# Altium PCB TestingPowerBoard.PcbDoc
Units mm, origin at the board's own origin, x right, y up, seen from the top; angles counter-clockwise.
Board outline 100 x 100 mm, 2 copper layers (Top Layer, Bottom Layer), stack 1.472 mm thick; 110 components, 87 nets, 357 pads, 224 vias.
Unrouted connection lines stored in the file: 42.
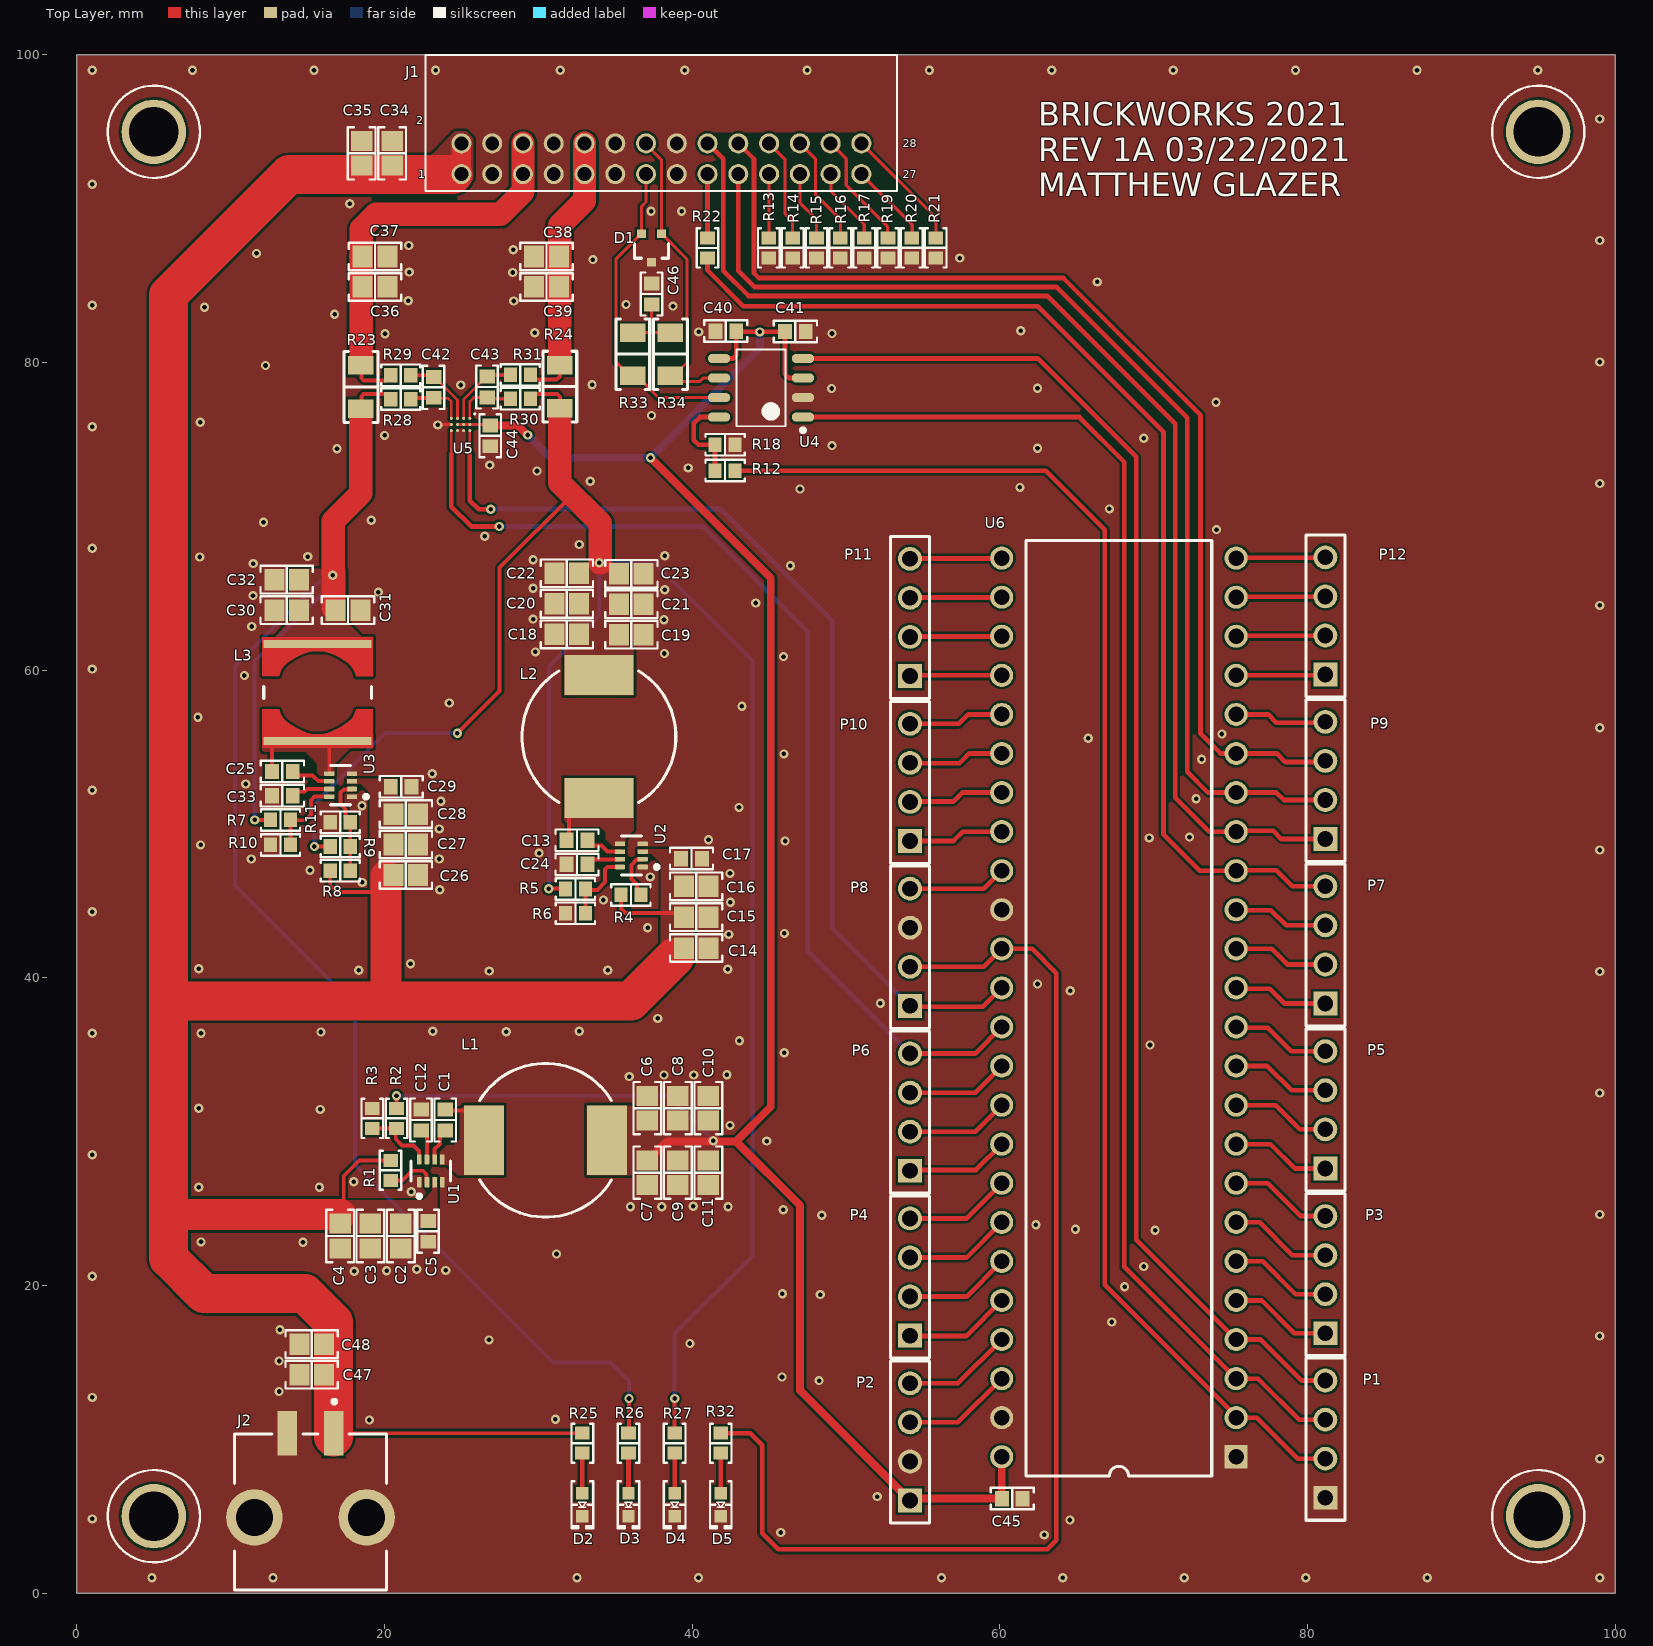
[diagram p0: Top Layer view]
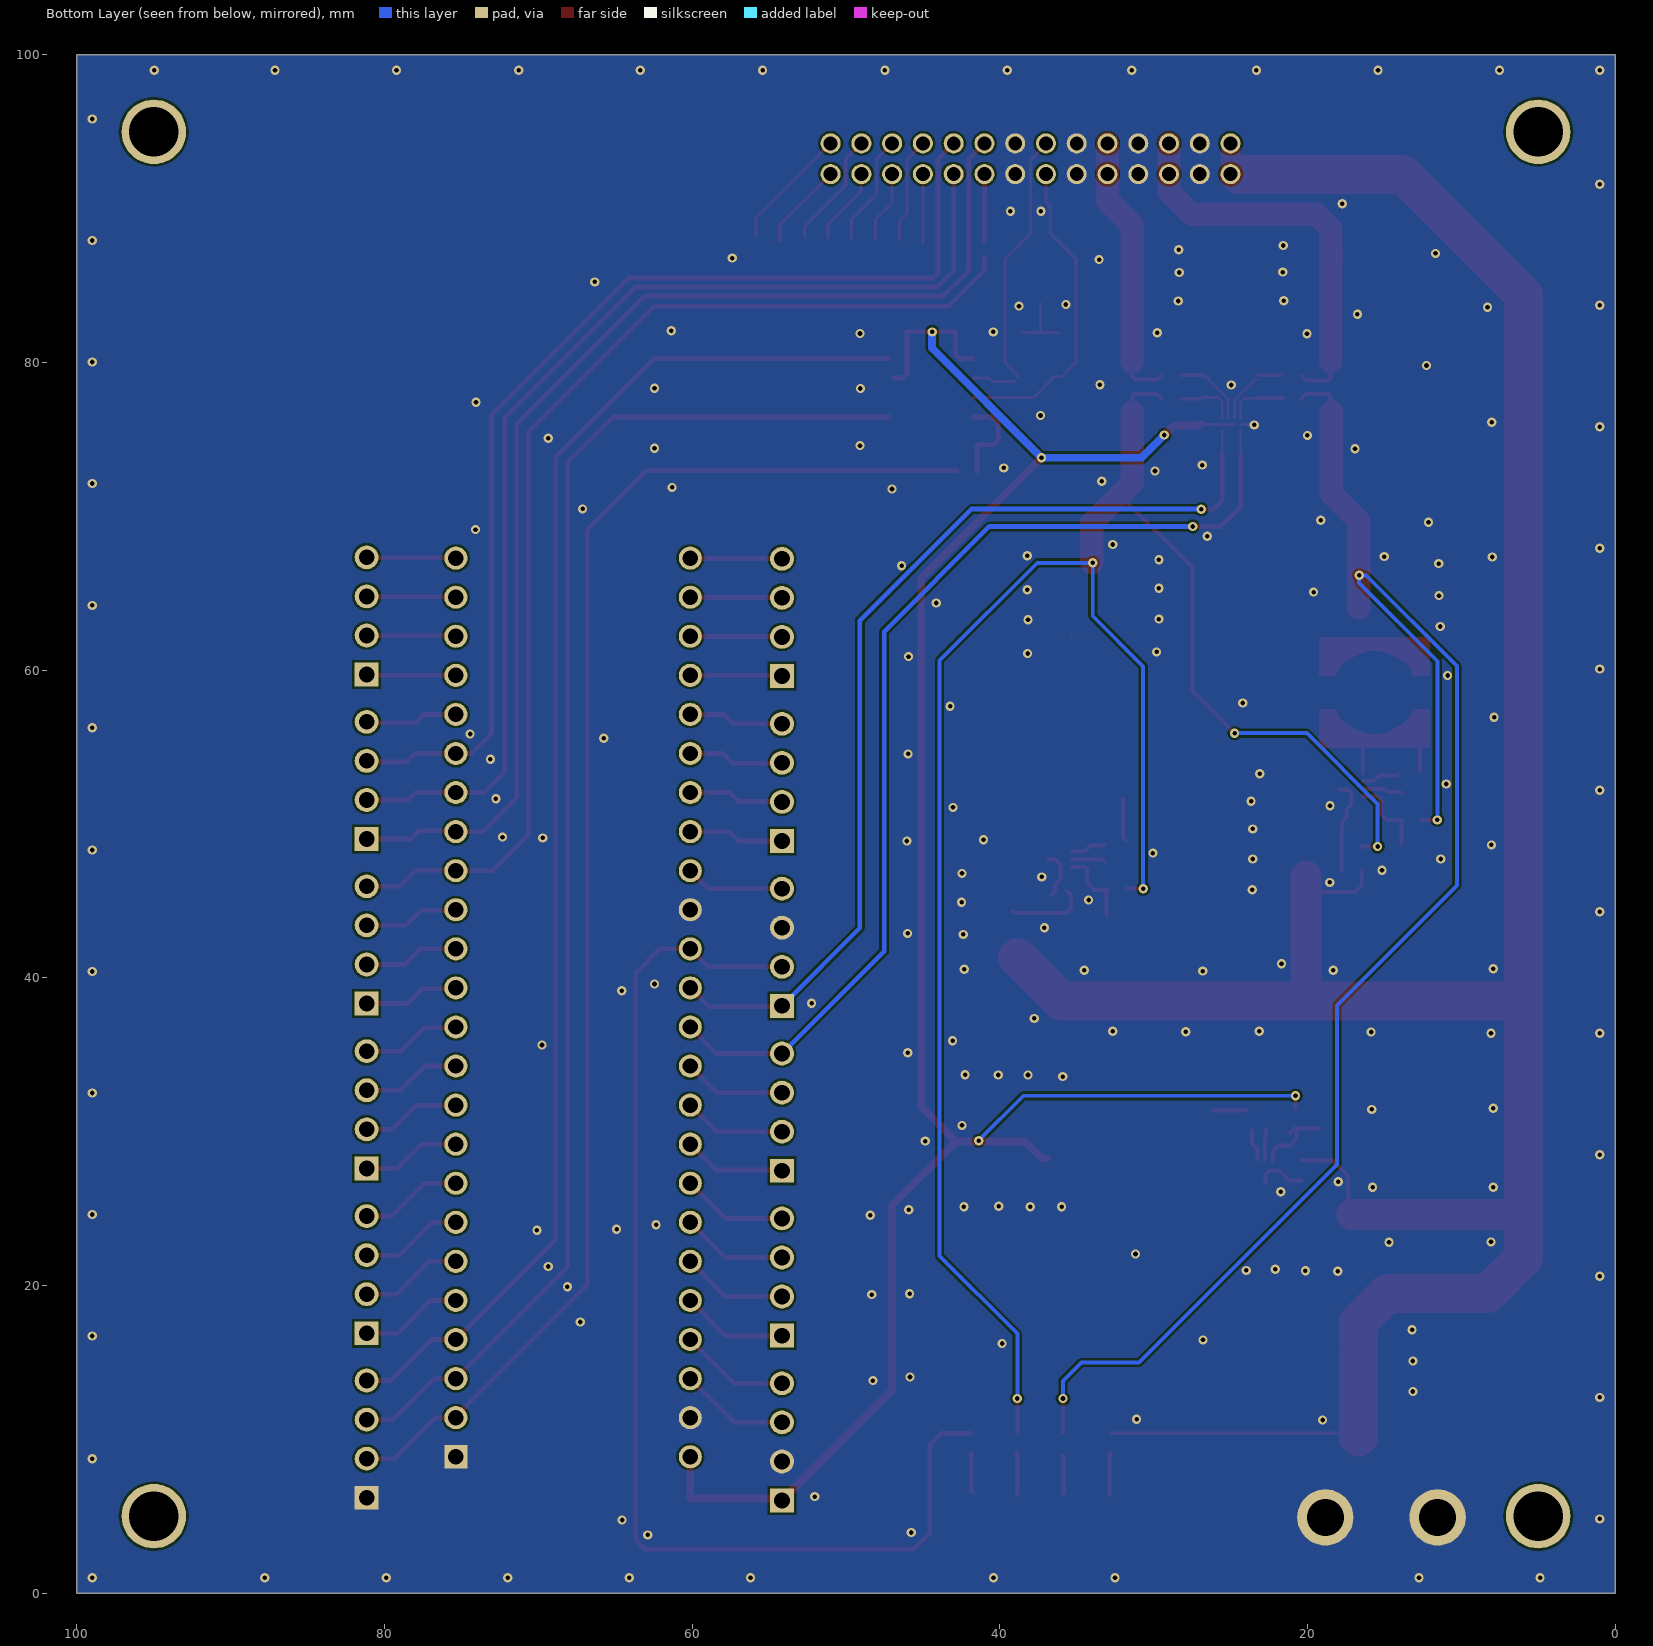
[diagram p1: Bottom Layer view, seen from below]
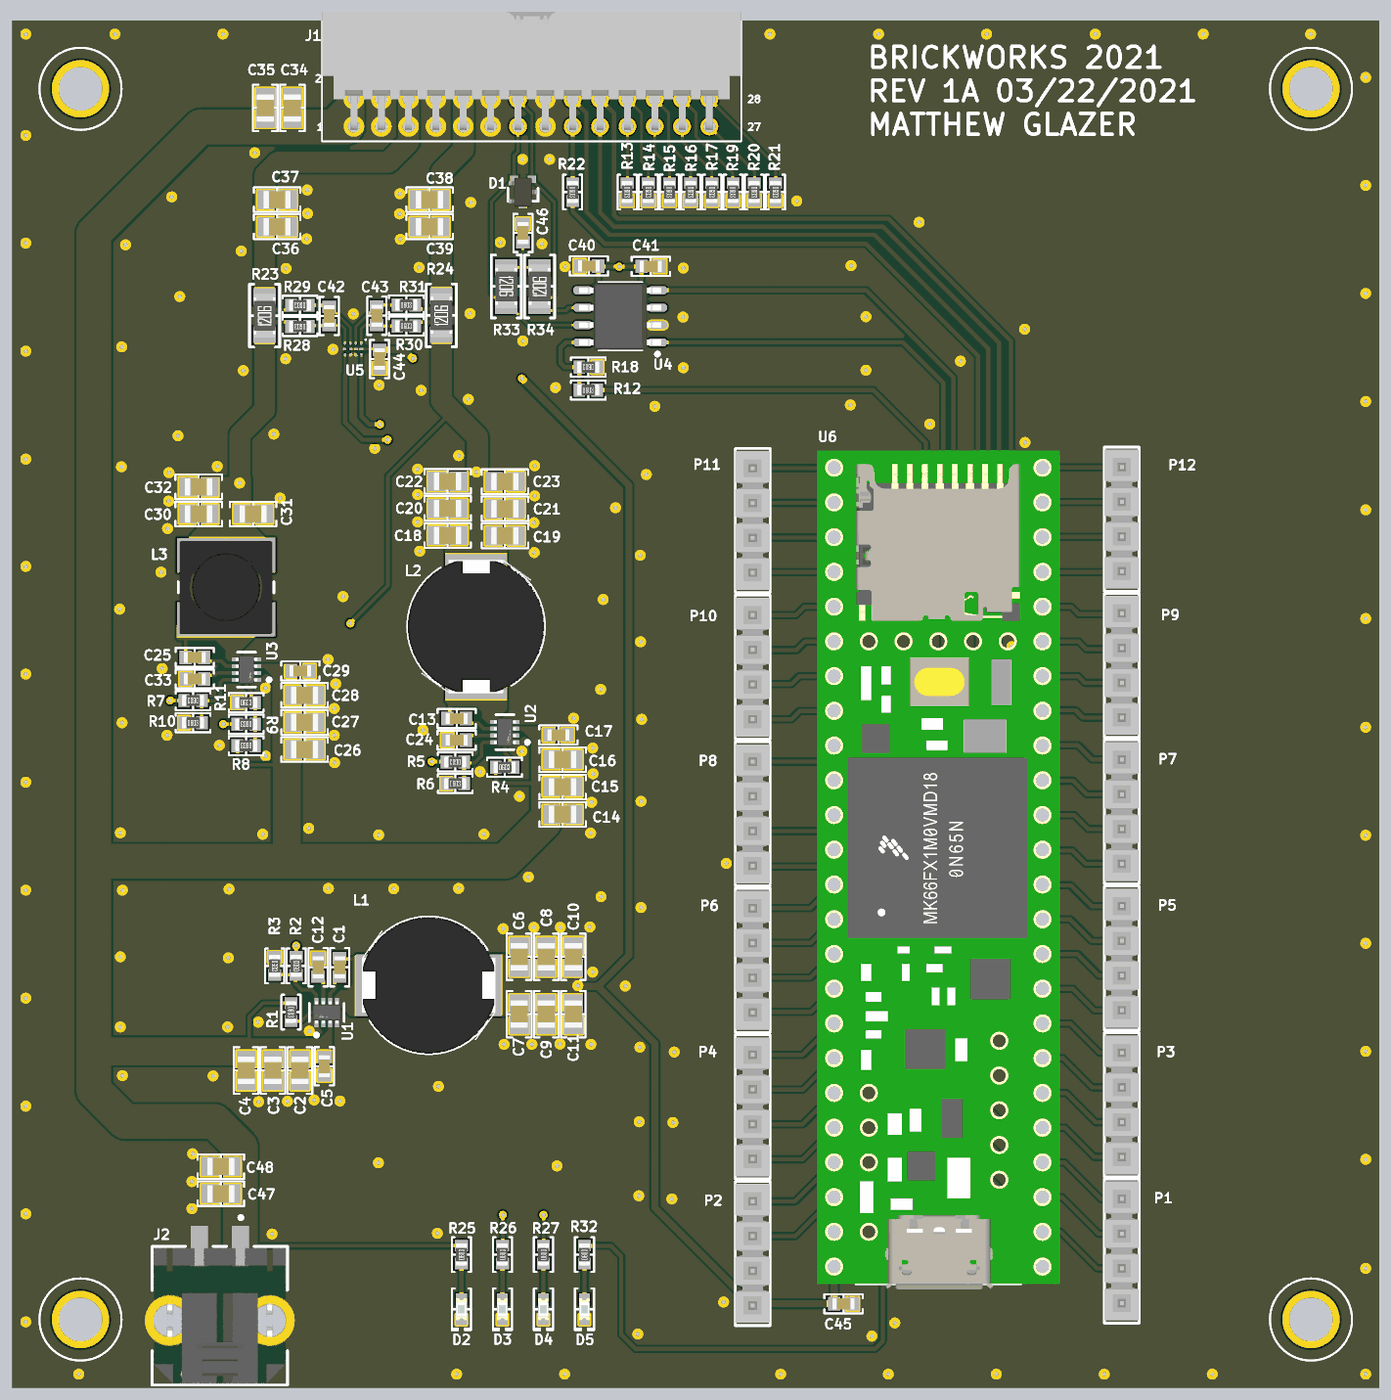
[diagram p2: 3D render of the assembled board from above, using the file's embedded part models]

## Layer stack, top to bottom
Top Solder: solder mask 0.01, SM-001, Dk 4
Top Layer: signal copper 0.041
Dielectric 2: prepreg 0.23, PP-018, Dk 4.3
Dielectric 1: core 0.93, Core-028, Dk 4.3
Dielectric 3: prepreg 0.23, PP-018, Dk 4.3
Bottom Layer: signal copper 0.041
Bottom Solder: solder mask 0.01, SM-001, Dk 4

## Board outline
0,0 100,0 100,100 0,100

## Design rules (kind name [scope] priority, off if disabled: settings)
Clearance [All] p1: gap=0.152 ignorepadtopadclearanceinfootprint=TRUE
DiffPairsRouting DiffPairsRouting100 [InDifferentialPairClass('DIFF100')] p1: maxlimit=0.152 minlimit=0.152 mostfreqgap=0.152 toplayer_minwidth=0.208 toplayer_maxwidth=0.208 toplayer_prefwidth=0.36 bottomlayer_minwidth=0.208 bottomlayer_maxwidth=0.208 bottomlayer_prefwidth=0.36 impedanceprofiledriven=TRUE impedanceprofileid={3D3F9093-80F4-4E16-AB05-055419844720} impedanceprofilevalue=100.000000 maxuncoupledlength=12.7
DiffPairsRouting DiffPairsRouting90 [InDifferentialPairClass('DIFF90')] p2: maxlimit=0.152 minlimit=0.152 mostfreqgap=0.152 toplayer_minwidth=0.277 toplayer_maxwidth=0.277 toplayer_prefwidth=0.573 bottomlayer_minwidth=0.277 bottomlayer_maxwidth=0.277 bottomlayer_prefwidth=0.573 impedanceprofiledriven=TRUE impedanceprofileid={56CFB2EB-BAC8-47B2-B82B-7AF4E2608B64} impedanceprofilevalue=90.000000 maxuncoupledlength=12.7
HoleSize [All] p1: absolutevalues=TRUE maxlimit=3.81 minlimit=0.254 maxpercent=80.000 minpercent=20.000
HoleToHoleClearance [All] p1: gap=0.127 allowstackedmicrovias=TRUE
MinimumAnnularRing [All] p1: minimumring=0.15
MinimumSolderMaskSliver [All] p1: minsoldermaskwidth=0.025
PlaneClearance [All] p1: clearance=0.254
PlaneConnect [All] p1: planeconnectstyle=Direct reliefexpansion=0.508 reliefentries=4 reliefconductorwidth=0.254 reliefairgap=0.254
PolygonConnect PolygonConnect_7 [All] p1: connectstyle=Direct reliefconductorwidth=0.254 reliefentries=4 polygonreliefangle="90 Angle" airgapwidth=0.254
PolygonConnect PolygonConnect_6 [All] p2: connectstyle=Direct reliefconductorwidth=0.254 reliefentries=4 polygonreliefangle="90 Angle" airgapwidth=0.254
PolygonConnect PolygonConnect_5 [All vs IsNamedPolygon('Top Layer-+5')] p3: connectstyle=Direct reliefconductorwidth=0.254 reliefentries=4 polygonreliefangle="90 Angle" airgapwidth=0.254
PolygonConnect PolygonConnect_4 [All vs IsNamedPolygon('Top Layer-NetC62_2')] p4: connectstyle=Direct reliefconductorwidth=0.254 reliefentries=4 polygonreliefangle="90 Angle" airgapwidth=0.254
PolygonConnect PolygonConnect_3 [All vs IsNamedPolygon('Top Layer-NetC62_2')] p5: connectstyle=Relief reliefconductorwidth=0.254 reliefentries=4 polygonreliefangle="90 Angle" airgapwidth=0.254
PolygonConnect PolygonConnect_2 [All vs IsNamedPolygon('Top Layer-+5_Supply')] p6: connectstyle=Direct reliefconductorwidth=0.254 reliefentries=4 polygonreliefangle="90 Angle" airgapwidth=0.254
PolygonConnect PolygonConnect_1 [All vs IsNamedPolygon('Top Layer-GND') Or  IsNamedPolygon('Bot Layer- GND')] p7: connectstyle=Direct reliefconductorwidth=0.254 reliefentries=4 polygonreliefangle="90 Angle" airgapwidth=0.254
PolygonConnect [All] p8: connectstyle=Relief reliefconductorwidth=0.254 reliefentries=4 polygonreliefangle="90 Angle" airgapwidth=0.254
RoutingVias [All] p1: holewidth=0.508 width=0.889 viastyle="Through Hole" minholewidth=0.3 minwidth=0.55 maxholewidth=0.889 maxwidth=1.27
SilkToSilkClearance [All] p1: silktosilkclearance=0.127
SilkToSolderMaskClearance [IsPad] p1: minsilkscreentomaskgap=0.003 clearancetoexposedcopper=TRUE
SolderMaskExpansion [All] p1: expansion=0.102 istentingtop=FALSE
UnRoutedNet [All] p1: checkbadconnections=TRUE
Width Width_50ohm [InNet('RF_IN')] p1: maxlimit=0.405 minlimit=0.405 preferedwidth=2.627 impedanceprofiledriven=TRUE impedanceprofileid={C7A62132-7CFF-4661-B070-4CE1FDF975CA} impedanceprofilevalue=50.000000 minimp=50.000000 maximp=50.000000 favimp=50.000000
Width [All] p2: maxlimit=2.54 minlimit=0.152 preferedwidth=0.305
21 further rules are at their usual default settings.

## Classes and differential pairs
component class Sensors: C42 C43 C44 D2 D3 D4 R23 R24 R25 R26 R27 R28 R29 R30 R31 U5
component class Microcontroller: C45 D5 P1 P2 P3 P4 P5 P6 P7 P8 P9 P10 P11 P12 R32 U6
component class Power-Supplies: C1 C2 C3 C4 C5 C6 C7 C8 C9 C10 C11 C12 C13 C14 C15 C16 C17 C18 C19 C20 C21 C22 C23 C24 C25 C26 C27 C28 C29 C30 C31 C32 C33 L1 L2 L3 R1 R2 R3 R4 R5 R6 R7 R8 R9 R10 R11 U1 U2 U3
component class Interfaces: C34 C35 C36 C37 C38 C39 C40 C41 C46 C47 C48 D1 J1 J2 R12 R13 R14 R15 R16 R17 R18 R19 R20 R21 R22 R33 R34 U4

## Components (designator, comment, footprint, x,y, rotation, side; value= is the part's Value field where it differs from the comment)
C1 "0.1 µF" "CAP 0603_1608" 23.952,30.759 r270 top
C2 "10µF" "CAP 0805_2012" 21.057,23.216 r90 top
C3 "10µF" "CAP 0805_2012" 19.075,23.216 r90 top
C4 "10µF" "CAP 0805_2012" 17.12,23.216 r90 top
C5 "0.1 µF" "CAP 0603_1608" 22.835,23.52 r270 top
C6 "10µF" "CAP 0805_2012" 37.084,31.521 r270 top
C7 "10µF" "CAP 0805_2012" 37.084,27.33 r90 top
C8 "10µF" "CAP 0805_2012" 39.065,31.521 r270 top
C9 "10µF" "CAP 0805_2012" 39.065,27.33 r90 top
C10 "10µF" "CAP 0805_2012" 41.046,31.521 r270 top
C11 "10µF" "CAP 0805_2012" 41.046,27.33 r90 top
C12 "0.068 µF" "CAP 0603_1608" 22.377,30.759 r270 top
C13 "0.1 µF" "CAP 0603_1608" 32.512,48.946 r0 top
C14 "10µF" "CAP 0805_2012" 40.259,41.935 r180 top
C15 "10µF" "CAP 0805_2012" 40.259,43.942 r180 top
C16 "10µF" "CAP 0805_2012" 40.259,45.949 r180 top
C17 "0.1 µF" "CAP 0603_1608" 39.954,47.752 r0 top
C18 "10µF" "CAP 0805_2012" 31.852,62.332 r0 top
C19 "10µF" "CAP 0805_2012" 36.043,62.306 r180 top
C20 "10µF" "CAP 0805_2012" 31.852,64.313 r0 top
C21 "10µF" "CAP 0805_2012" 36.043,64.287 r180 top
C22 "10µF" "CAP 0805_2012" 31.852,66.294 r0 top
C23 "10µF" "CAP 0805_2012" 36.043,66.269 r180 top
C24 "0.068 µF" "CAP 0603_1608" 32.512,47.371 r0 top
C25 "0.1 µF" "CAP 0603_1608" 13.36,53.416 r0 top
C26 "10µF" "CAP 0805_2012" 21.387,46.685 r180 top
C27 "10µF" "CAP 0805_2012" 21.387,48.666 r180 top
C28 "10µF" "CAP 0805_2012" 21.387,50.648 r180 top
C29 "0.1 µF" "CAP 0603_1608" 21.082,52.426 r0 top
C30 "10µF" "CAP 0805_2012" 13.64,63.906 r0 top
C31 "10µF" "CAP 0805_2012" 17.628,63.906 r180 top
C32 "10µF" "CAP 0805_2012" 13.64,65.888 r0 top
C33 "0.068 µF" "CAP 0603_1608" 13.36,51.841 r0 top
C34 "10µF" "CAP 0805_2012" 20.498,93.599 r270 top
C35 "10µF" "CAP 0805_2012" 18.517,93.599 r270 top
C36 "10µF" "CAP 0805_2012" 19.38,84.912 r180 top
C37 "10µF" "CAP 0805_2012" 19.38,86.893 r180 top
C38 "10µF" "CAP 0805_2012" 30.531,86.893 r0 top
C39 "10µF" "CAP 0805_2012" 30.531,84.912 r0 top
C40 "0.1µF" "CAP 0603_1608" 42.189,82.042 r0 top
C41 "0.1µF" "CAP 0603_1608" 46.711,82.017 r180 top
C42 "0.1µF" "CAP 0603_1608" 23.19,78.384 r270 top
C43 "0.1µF" "CAP 0603_1608" 26.67,78.41 r270 top
C44 "0.1 µF" "CAP 0603_1608" 26.873,75.235 r270 top
C45 "0.1 µF" "CAP 0603_1608" 60.808,6.147 r0 top
C46 "4700pF" "CAP 0603_1608" 37.363,84.455 r90 top
C47 "10µF" "CAP 0805_2012" 15.265,14.199 r0 top
C48 "10µF" "CAP 0805_2012" 15.265,16.18 r0 top
D1 "PESD1CAN-UX" FP-SOT323-MFG 37.363,87.452 r270 top
D2 "Green" "LED 0603_1608 GREEN" 32.861,5.746 r270 top
D3 "Green" "LED 0603_1608 GREEN" 35.861,5.746 r270 top
D4 "Green" "LED 0603_1608 GREEN" 38.861,5.746 r270 top
D5 "Green" "LED 0603_1608 GREEN" 41.861,5.746 r270 top
J1 "0878332820" 0878332820 25,94.25 r0 top
J2 "436500210" FP-436500210-MFG 15.189,5.275 r0 top
L1 "6.5 µH" "TAIYO YUDEN NR1005" 30.468,29.439 r0 top
L2 "6.5 µH" "TAIYO YUDEN NR1005" 33.934,55.677 r90 top
L3 "8.6 µH" "BOURNS SRR6028" 15.646,58.547 r90 top
P1 "TSW-104-08-L-S" SMTC-TSW-104-08-X-S 81.162,6.198 r90 top
P2 "TSW-104-08-L-S" SMTC-TSW-104-08-X-S 54.162,6.02 r90 top
P3 "TSW-104-08-L-S" SMTC-TSW-104-08-X-S 81.162,16.891 r90 top
P4 "TSW-104-08-L-S" SMTC-TSW-104-08-X-S 54.162,16.739 r90 top
P5 "TSW-104-08-L-S" SMTC-TSW-104-08-X-S 81.162,27.61 r90 top
P6 "TSW-104-08-L-S" SMTC-TSW-104-08-X-S 54.162,27.457 r90 top
P7 "TSW-104-08-L-S" SMTC-TSW-104-08-X-S 81.162,38.329 r90 top
P8 "TSW-104-08-L-S" SMTC-TSW-104-08-X-S 54.162,38.176 r90 top
P9 "TSW-104-08-L-S" SMTC-TSW-104-08-X-S 81.162,49.022 r90 top
P10 "TSW-104-08-L-S" SMTC-TSW-104-08-X-S 54.162,48.895 r90 top
P11 "TSW-104-08-L-S" SMTC-TSW-104-08-X-S 54.162,59.622 r90 top
P12 "TSW-104-08-L-S" SMTC-TSW-104-08-X-S 81.162,59.715 r90 top
R1 "10 kOhms" "RES 0603_1608" 20.396,27.483 r270 top
R2 "52.3 kOhms" "RES 0603_1608" 20.777,30.861 r90 top
R3 "10 kOhms" "RES 0603_1608" 19.202,30.861 r270 top
R4 "10 kOhms" "RES 0603_1608" 36.017,45.39 r0 top
R5 "52.3 kOhms" "RES 0603_1608" 32.41,45.771 r180 top
R6 "10 kOhms" "RES 0603_1608" 32.41,44.196 r0 top
R7 "140 kOhms" "RES 0603_1608" 13.233,50.267 r180 top
R8 "10 kOhms" "RES 0603_1608" 17.12,46.965 r180 top
R9 "604 kOhms" "RES 0603_1608" 17.12,48.539 r180 top
R10 "10 kOhms" "RES 0603_1608" 13.233,48.641 r0 top
R11 "196 kOhms" "RES 0603_1608" 17.12,50.114 r0 top
R12 "100 Ohms" "RES 0603_1608" 42.139,72.974 r0 top
R13 "10 kOhms" "RES 0603_1608" 44.983,87.452 r270 top
R14 "10 kOhms" "RES 0603_1608" 46.533,87.452 r270 top
R15 "10 kOhms" "RES 0603_1608" 48.082,87.452 r270 top
R16 "10 kOhms" "RES 0603_1608" 49.632,87.452 r270 top
R17 "10 kOhms" "RES 0603_1608" 51.181,87.452 r270 top
R18 "10 kOhms" "RES 0603_1608" 42.139,74.651 r180 top
R19 "10 kOhms" "RES 0603_1608" 52.73,87.452 r270 top
R20 "10 kOhms" "RES 0603_1608" 54.28,87.452 r270 top
R21 "10 kOhms" "RES 0603_1608" 55.829,87.452 r270 top
R22 "0 Ohms" "RES 0603_1608" 40.996,87.452 r270 top
R23 "15 mOhms" "RES 1206_3216" 18.466,78.41 r90 top
R24 "15 mOhms" "RES 1206_3216" 31.394,78.435 r90 top
R25 "3.3 kOhms" "RES 0603_1608" 32.861,9.746 r90 top
R26 "2 kOhms" "RES 0603_1608" 35.861,9.746 r90 top
R27 "590 Ohms" "RES 0603_1608" 38.861,9.746 r90 top
R28 "10 Ohms" "RES 0603_1608" 21.057,77.622 r180 top
R29 "10 Ohms" "RES 0603_1608" 21.057,79.172 r180 top
R30 "10 Ohms" "RES 0603_1608" 28.829,77.648 r0 top
R31 "10 Ohms" "RES 0603_1608" 28.829,79.197 r0 top
R32 "590 Ohms" "RES 0603_1608" 41.861,9.746 r90 top
R33 "60.4 Ohms" "RES 1206_3216" 36.144,80.543 r270 top
R34 "60.4 Ohms" "RES 1206_3216" 38.583,80.543 r90 top
U1 "XTPS62933DRLR" FP-DRL0008A-MFG 23.008,27.454 r90 top
U2 "XTPS62933DRLR" FP-DRL0008A-MFG 36.043,47.955 r180 top
U3 "XTPS62933DRLR" FP-DRL0008A-MFG 17.145,52.527 r180 top
U4 "SCH - INTERFACE - CAN - TI TCAN1051V" "PCB - LEADS - SOIC - TI SOIC-8" 44.475,78.359 r180 top
U5 "SCH - SENSOR - CURRENT - INA2191" "PCB - LEADLESS - BGA - TI DSBGA-12" 24.943,75.971 r270 top
U6 "SCH - MICROCONTROLLER - TEENSY 3.x" "PCB - THRU - TEENSY 3.x" 75.362,8.865 r180 top

## Footprints (in the part's own frame and the unit in brackets; to place one, negate y for a bottom-side part, rotate by r counter-clockwise, add the part's x,y. Pads: shape width x height; smd on the part's side, far side on the other; paste and mask are expansions set on the pad)
0878332820 [mm] "28 pin milli-grid header, right-angle"
  round 1.3 hole 0.9: 1(0,-2) 2(0,0) 3(2,-2) 4(2,0) 5(4,-2) 6(4,0) 7(6,-2) 8(6,0) 9(8,-2) 10(8,0) 11(10,-2) 12(10,0) 13(12,-2) 14(12,0) 15(14,-2) 16(14,0) 17(16,-2) 18(16,0) 19(18,-2) 20(18,0) 21(20,-2) 22(20,0) 23(22,-2) 24(22,0) 25(24,-2) 26(24,0) 27(26,-2) 28(26,0)
  silkscreen extent -2.32,-3.09 28.33,5.75, body extent -2.32,-2.25 28.33,6.4, height 6.35
"BOURNS SRR6028" [mm] "Precision Wire Wound Inductor, 2-Leads, Body 6.80x6.80mm, IPC Medium Density"
  rect 0.5x7 smd: 1(-3.15,0) 2(3.15,0)
  Top Layer region: -3.6,3.6 -1.1,3.6 -1.1,2.5 -1.4,2.4 -1.671,2.229 -1.9,2 -2.1,1.7 -2.3,1.4 -2.5,1 -2.6,0.7 -2.7,0.3 -2.7,0 -3.6,0
  Top Layer region: -3.6,-3.6 -1.1,-3.6 -1.1,-2.5 -1.4,-2.4 -1.658,-2.242 -1.9,-2 -2.1,-1.7 -2.3,-1.4 -2.5,-1 -2.6,-0.7 -2.7,-0.3 -2.7,0 -3.6,0
  Top Layer region: 3.6,-3.6 1.1,-3.6 1.1,-2.5 1.4,-2.4 1.696,-2.204 1.9,-2 2.1,-1.7 2.3,-1.4 2.5,-1 2.6,-0.7 2.7,-0.3 2.7,0 3.6,0
  Top Layer region: 3.6,3.6 1.1,3.6 1.1,2.5 1.4,2.4 1.683,2.217 1.9,2 2.1,1.7 2.3,1.4 2.5,1 2.6,0.7 2.7,0.3 2.7,0 3.6,0
  silkscreen extent -0.4,-3.5 0.4,3.5, body extent -3.4,-3.4 3.4,3.4, height 2.8
"CAP 0603_1608" [mm] "Chip Capacitor, 2-Leads, Body 1.60x0.80mm, IPC Medium Density"
  rect 0.9x1 smd: 1(-0.675,0) 2(0.675,0)
  silkscreen extent -1.4,-0.7 1.4,0.7, body extent -0.8,-0.41 0.8,0.41, height 0.82
"CAP 0805_2012" [mm] "Chip Capacitor, 2-Leads, Body 2.00x1.20mm, IPC Medium Density"
  rect 1.3x1.4 smd: 1(-0.8,0) 2(0.8,0)
  silkscreen extent -1.7,-0.9 1.7,0.9, body extent -1,-0.64 1,0.64, height 1.26
FP-436500210-MFG [mm]
  rect 1.27x2.92 smd paste+0 mask+0: 1(1.5,5.12) 2(-1.5,5.12)
  round 3.66 hole 2.41 paste-1000 mask+0: 3(-3.65,-0.35) 4(3.65,-0.35)
  silkscreen extent -4.95,-5.07 4.95,7.3, body extent -5.58,-5.18 5.58,6.68, height 0.25
FP-DRL0008A-MFG [mm]
  rrect33% 0.67x0.3 smd paste+0 mask+0: 1(-0.74,0.75) 2(-0.74,0.25) 3(-0.74,-0.25) 4(-0.74,-0.75) 5(0.74,-0.75) 6(0.74,-0.25) 7(0.74,0.25) 8(0.74,0.75)
  silkscreen extent -1.77,-1.28 0.65,1.28, body extent -1.17,-1.35 1.17,1.35, height 0.25
FP-SOT323-MFG [mm]
  rect 0.55x0.6 smd paste-1000 mask+0: 1(-0.925,0.65) 2(-0.925,-0.65) 3(0.925,0)
  silkscreen extent -0.28,-1.1 0.67,1.1, body extent -1.33,-1.2 1.33,1.2, height 0.25
"LED 0603_1608 GREEN" [mm] "Chip Diode, 2-Leads, Body 1.60x0.80mm, IPC Medium Density"
  rect 0.8x0.8 smd: 1(-0.75,0) 2(0.75,0)
  silkscreen extent -1.52,-0.7 1.52,0.7, body extent -0.8,-0.4 0.8,0.4, height 0.53
"PCB - LEADLESS - BGA - TI DSBGA-12" [mm]
  round 0.2 smd mask+0.05: A1(-0.4,0.6) A2(0,0.6) A3(0.4,0.6) B1(-0.4,0.2) B2(0,0.2) B3(0.4,0.2) C1(-0.4,-0.2) C2(0,-0.2) C3(0.4,-0.2) D1(-0.4,-0.6) D2(0,-0.6) D3(0.4,-0.6)
  silkscreen extent -0.74,0.87 -0.64,0.97, body extent -0.59,-0.82 0.59,0.81, height 0.35
"PCB - LEADS - SOIC - TI SOIC-8" [mm] "SOIC, 8-Leads, Body 4.91x3.90mm, Pitch 1.27mm, IPC Medium Density"
  oval 1.45x0.6 smd: 1(-2.725,1.905) 2(-2.725,0.635) 3(-2.725,-0.635) 4(-2.725,-1.905) 5(2.725,-1.905) 6(2.725,-0.635) 7(2.725,0.635) 8(2.725,1.905)
  silkscreen extent -2.85,-2.5 1.6,2.88, body extent -3.01,-2.45 3.01,2.45, height 1.63
"PCB - THRU - TEENSY 3.x" [mm]
  rect 1.5x1.5 hole 1: 1(0,0)
  round 1.5 hole 1: 2(0,-2.54) 3(0,-5.08) 4(0,-7.62) 5(0,-10.16) 6(0,-12.7) 7(0,-15.24) 8(0,-17.78) 9(0,-20.32) 10(0,-22.86) 11(0,-25.4) 12(0,-27.94) 13(0,-30.48) 14(0,-33.02) 15(0,-35.56) 16(0,-38.1) 17(0,-40.64) 18(0,-43.18) 19(0,-45.72) 20(0,-48.26) 21(0,-50.8) 22(0,-53.34) 23(0,-55.88) 24(0,-58.42) 25(15.24,-58.42) 26(15.24,-55.88) 27(15.24,-53.34) 28(15.24,-50.8) 29(15.24,-48.26) 30(15.24,-45.72) 31(15.24,-43.18) 32(15.24,-40.64) 33(15.24,-38.1) 34(15.24,-35.56) 35(15.24,-33.02) 36(15.24,-30.48) 37(15.24,-27.94) 38(15.24,-25.4) 39(15.24,-22.86) 40(15.24,-20.32) 41(15.24,-17.78) 42(15.24,-15.24) 43(15.24,-12.7) 44(15.24,-10.16) 45(15.24,-7.62) 46(15.24,-5.08) 47(15.24,-2.54) 48(15.24,0)
  silkscreen extent 1.58,-59.56 13.66,1.25, body extent -1.27,-59.7 16.51,1.65, height 4.71
"RES 0603_1608" [mm] "Chip Resistor, 2-Leads, Body 1.60x0.80mm, IPC Medium Density"
  rect 0.85x0.95 smd: 1(-0.65,0) 2(0.65,0)